# KiCad board SparkFun_RTK_mosaic-T.kicad_pcb (continued)
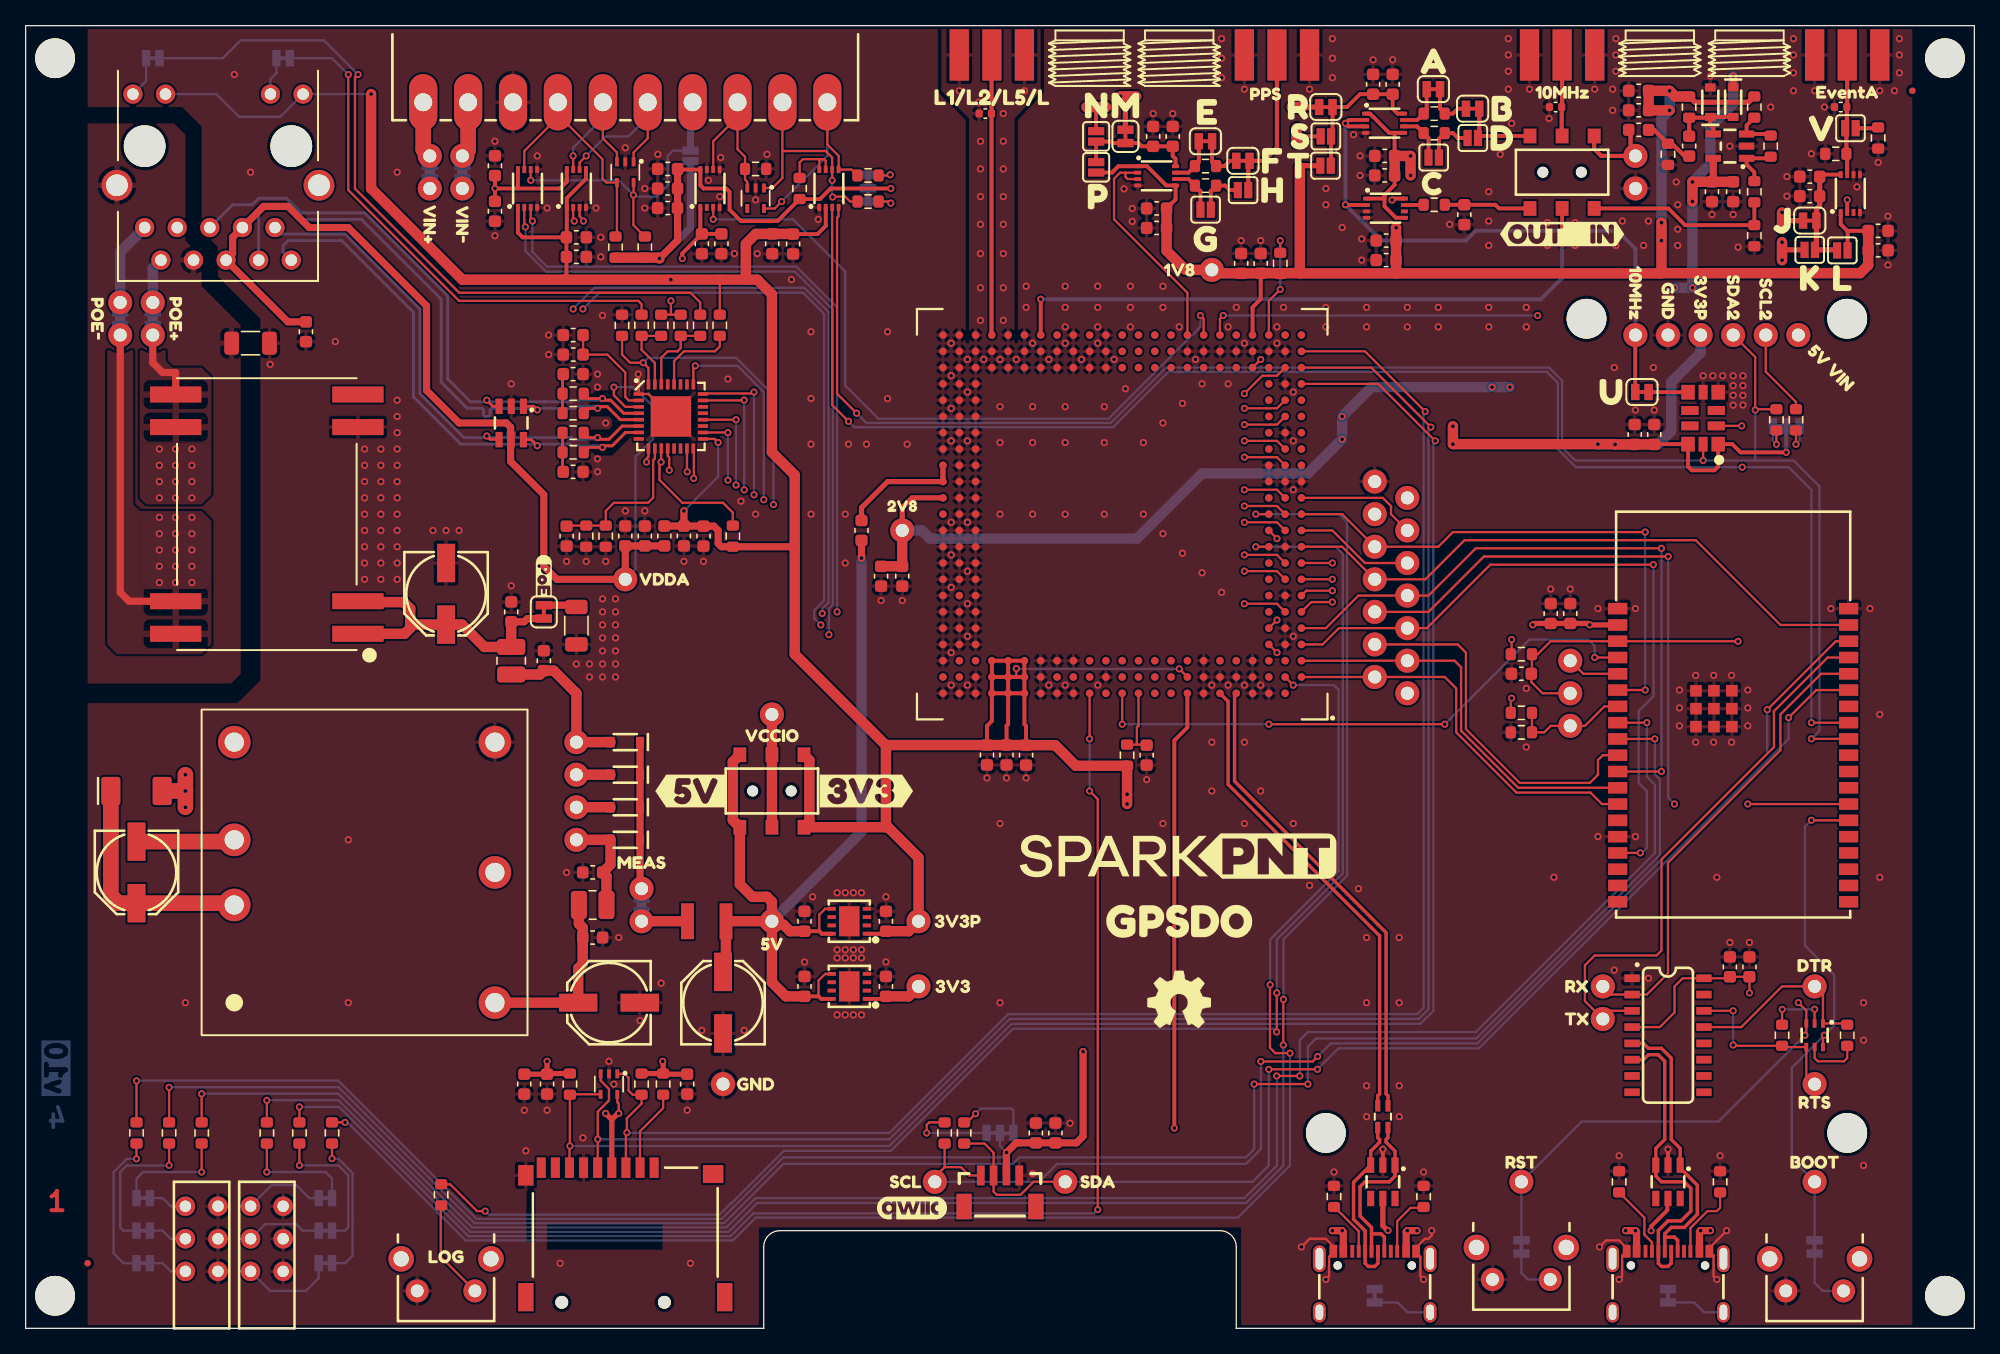
[diagram p0: board, top side]
## Text on the board (continued)
Bottom: 4 | v10
User.Drawings: V-Score To V-Score
Top: 1
F.Fab: P.C. | Controlled Impedance: JLC7628 | Solder Mask: Red | Silkscreen: White | Layers: 4 | Finish: ENIG | Thickness: 1.6mm | No Clean Process | Material: TG155 | Copper Weight: 1oz
In1.Cu: 2
In2.Cu: 3
